# Altium PCB MatrixRE.PcbDoc (part 3 of 3)
Units mm, origin at the board's own origin, x right, y up, seen from the top; angles counter-clockwise.
Board outline 200 x 200.9 mm, 2 copper layers (Top Layer, Bottom Layer), stack 1.55 mm thick; 298 components, 208 nets, 865 pads, 440 vias.
Unrouted connection lines stored in the file: 1.
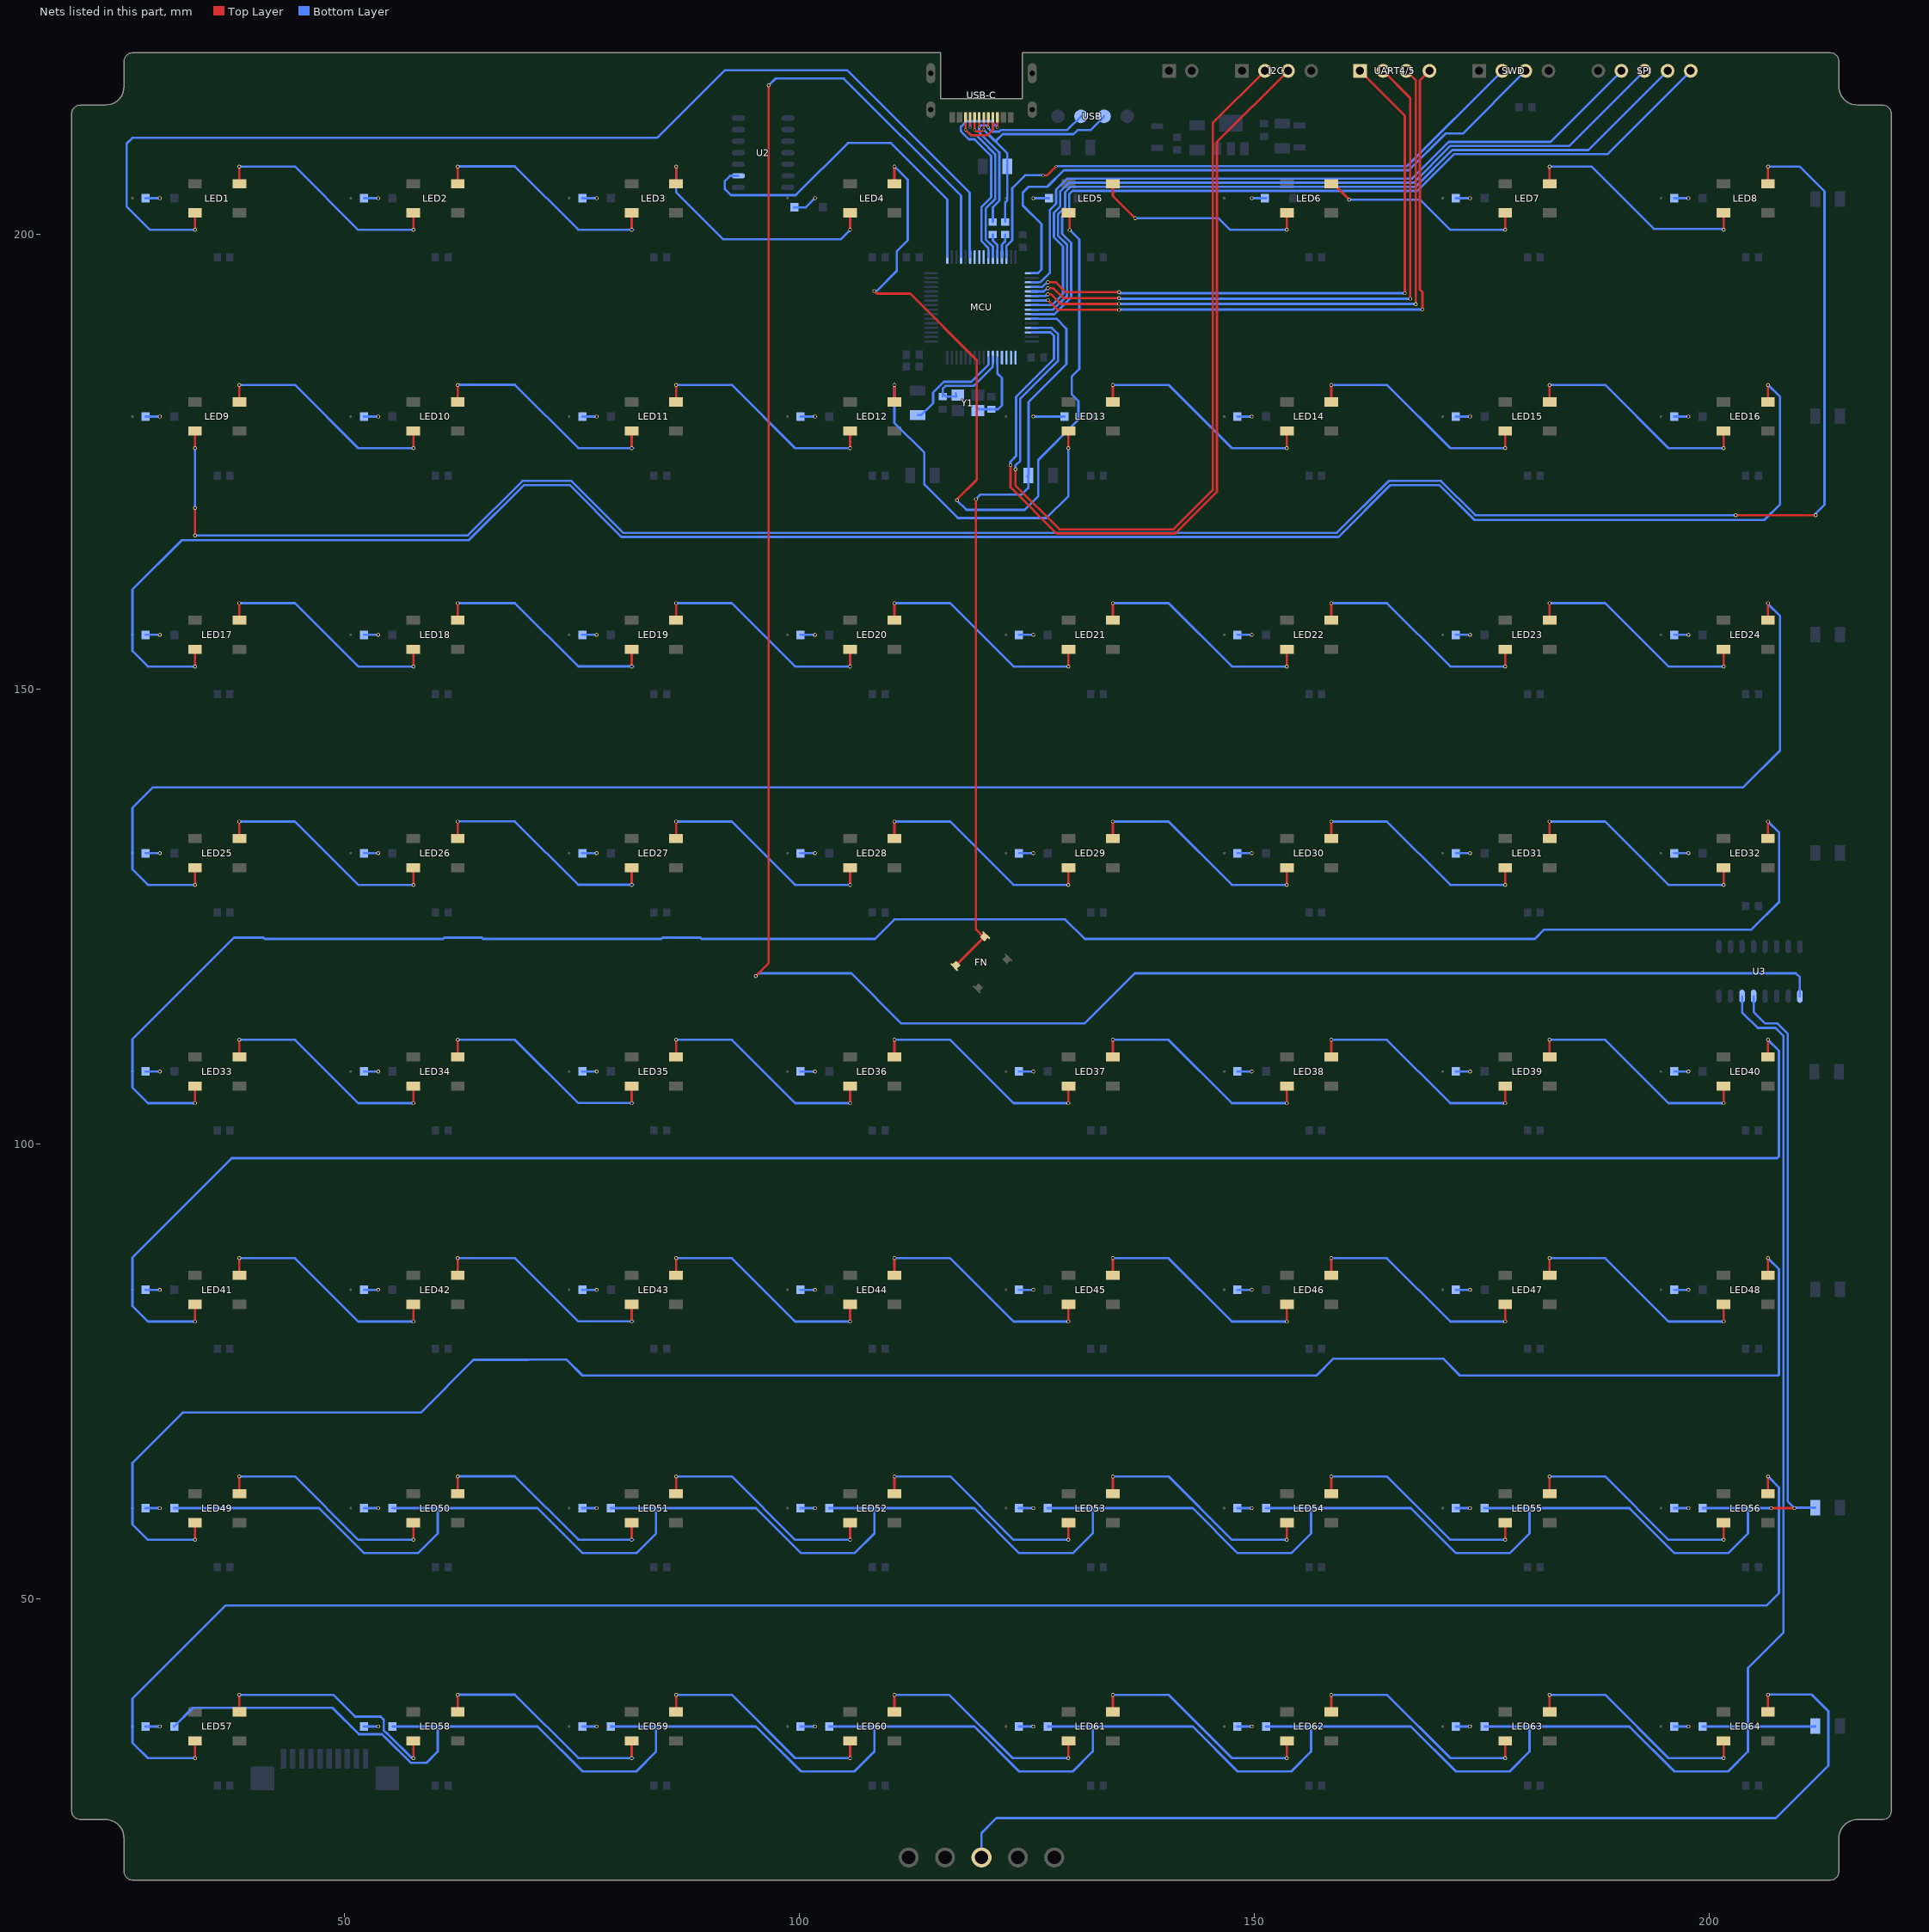
[diagram p3: the nets of this part, all layers, seen from the top]

## Via types
v1: diameter 0.406, hole 0.254, Top Layer to Bottom Layer, tented both sides, 214 vias
v2: diameter 0.61, hole 0.406, Top Layer to Bottom Layer, tented both sides, 142 vias
v3: diameter 0.711, hole 0.508, Top Layer to Bottom Layer, tented both sides, 71 vias
v4: diameter 0.305, hole 0.203, Top Layer to Bottom Layer, tented both sides, 9 vias
v5: diameter 8, hole 5.3, Top Layer to Bottom Layer, 4 vias

## Nets (pads, with @x,y where several pads share a name; then routed paths per layer and width w, separated by ;. In a path a pad name is that pad's centre, name@x,y a point inside that pad or via, vN(x,y) a via of type N, cw(c..) or ccw(c..) an arc to the next point about the centre after c; other vN are vias at no path point) (continued)
KeyRead7: D49.2 D50.2 D51.2 D52.2 D53.2 D54.2 D55.2 D56.2 R7.1@211.65,60.045 U3.5 | length 316.4
  Top Layer w0.254: v1(206.8,60) v1(209.342,60) v1@207,60
  Bottom Layer w0.254: D49.2@31.275,60 47.211,60 52.156,55.055 58.054,55.055 60.234,57.234 60.234,60 ; D50.2@55.275,60 60.234,60 ; D51.2@79.275,60 84.234,60 ; D52.2@103.275,60 108.234,60 ; D53.2@127.275,60 132.234,60 ; D54.2@151.275,60 156.234,60 ; D55.2@175.275,60 180.234,60 ; D56.2@199.275,60 204.234,60 ; U3.5@204.865,116.275 204.865,114.535 206.1,113.3 207.463,113.3 208.601,112.162 208.601,60.741 v1(209.342,60) 209.387,60.045 R7.1@211.65,60.045 ; v1(206.8,60) 204.234,60 ; 60.234,60 71.211,60 76.156,55.055 82.054,55.055 84.234,57.234 84.234,60 ; 84.234,60 95.211,60 100.156,55.055 106.054,55.055 108.234,57.234 108.234,60 ; 108.234,60 119.211,60 124.156,55.055 130.054,55.055 132.234,57.234 132.234,60 ; 132.234,60 143.211,60 148.156,55.055 154.054,55.055 156.234,57.234 156.234,60 ; 156.234,60 167.211,60 172.156,55.055 178.054,55.055 180.234,57.234 180.234,60 ; 180.234,60 191.211,60 196.156,55.055 202.054,55.055 204.234,57.234 204.234,60
KeyRead8: D57.2 D58.2 D59.2 D60.2 D61.2 D62.2 D63.2 D64.2 R8.1 U3.6 | length 341
  Bottom Layer w0.254: D57.2@31.275,36 33.325,38.05 48.666,38.05 51.578,35.138 54.108,35.138 54.502,34.744 54.536,34.744 57.29,31.99 58.989,31.99 60.234,33.234 60.234,36 ; D58.2@55.275,36 60.234,36 ; D59.2@79.275,36 84.234,36 ; D60.2@103.275,36 108.234,36 ; D61.2@127.275,36 132.234,36 ; D62.2@151.275,36 156.234,36 ; D63.2@175.275,36 180.234,36 ; D64.2@199.275,36 204.234,36 ; U3.6@203.595,116.275 203.595,114.505 205.308,112.792 207.253,112.792 208.147,111.898 208.147,46.347 204.234,42.434 204.234,36 ; R8.1@211.65,36.045 211.605,36 204.234,36 ; 60.234,36 71.211,36 76.156,31.055 82.054,31.055 84.234,33.234 84.234,36 ; 84.234,36 95.211,36 100.156,31.055 106.054,31.055 108.234,33.234 108.234,36 ; 108.234,36 119.211,36 124.156,31.055 130.054,31.055 132.234,33.234 132.234,36 ; 132.234,36 143.211,36 148.156,31.055 154.054,31.055 156.234,33.234 156.234,36 ; 156.234,36 167.211,36 172.156,31.055 178.054,31.055 180.234,33.234 180.234,36 ; 180.234,36 191.211,36 196.156,31.055 202.054,31.055 204.234,33.234 204.234,36
KeyScanLoad: MCU.36 pad.1@109.27,118.73 U3.1 | length 253.7
  Top Layer w0.254: v1(95.2,118.5) 96.6,119.9 96.6,121.215 v1(96.6,216.4)
  Bottom Layer w0.254: v1(95.2,118.5) 95.5,118.8 105.692,118.8 111.208,113.284 131.334,113.284 136.85,118.8 209.5,118.8 209.945,118.355 U3.1@209.945,116.275 ; v1(96.6,216.4) 97.362,217.162 99.989,217.162 99.991,217.159 101.309,217.159 101.311,217.162 104.873,217.162 117.75,204.285 MCU.36@117.75,197.525
KeySR: MCU.33 U2.2 | length 38.6
  Bottom Layer w0.254: U2.2@93.275,206.46 92.36,206.46 91.8,205.9 91.8,205 92.463,204.337 99.582,204.337 105.309,210.064 110.045,210.064 116.25,203.858 MCU.33@116.25,197.525
LEDdata: LED1.4 MCU.38 | length 126
  Top Layer w0.254: v1(33.562,200.52) LED1.4@33.562,202.4
  Bottom Layer w0.254: v1(33.562,200.52) 28.63,200.52 26.043,203.107 26.043,209.983 26.69,210.63 84.35,210.63 91.79,218.07 100.365,218.07 100.367,218.067 100.933,218.067 100.935,218.07 105.249,218.07 118.704,204.615 118.704,197.571 MCU.38@118.75,197.525
"LEDdata 3.3": 
LEDext: LED64.2 pad.3 | length 114.1
  Top Layer w0.254: LED64.2@206.438,37.6 v1(206.438,39.48)
  Bottom Layer w0.254: pad.3@120,21.6 120,24.29 121.64,25.93 207.304,25.93 213.077,31.703 213.077,37.671 211.23,39.517 206.475,39.517 v1(206.438,39.48)
MCUUSB+: MCU.45 R3.2@122.6,200 | length 2.6
  Bottom Layer w0.254: MCU.45@122.25,197.525 122.25,198.904 122.6,199.254 R3.2@122.6,200
MCUUSB-: MCU.44 R4.2@121.25,200 | length 2.7
  Bottom Layer w0.254: R4.2@121.25,200 121.25,199.35 121.75,198.85 MCU.44@121.75,197.525
MISO: MCU.56 SPI.3 | length 85.6
  Bottom Layer w0.254: MCU.56@125.525,192.25 127.726,192.25 128.952,193.476 128.952,198.704 127.957,199.699 127.957,202.399 128.656,203.098 128.656,204.753 129.613,205.71 167.518,205.71 171.557,209.749 184.619,209.749 SPI.3@192.87,218
MOSI: MCU.57 SPI.4 | length 88.4
  Bottom Layer w0.254: MCU.57@125.525,191.75 127.868,191.75 129.406,193.288 129.406,198.892 128.411,199.887 128.411,202.211 129.2,203 129.2,204.655 129.571,205.025 129.801,205.256 167.706,205.256 171.745,209.295 186.705,209.295 SPI.4@195.41,218
NetD1_1: D1.1@28.125,204 SW1.2 | length 1.6
  Bottom Layer w0.254: D1.1@28.125,204 SW1.2@29.7,204
NetD2_1: D2.1 SW2.2 | length 1.6
  Bottom Layer w0.254: D2.1@52.125,204 SW2.2@53.7,204
NetD3_1: D3.1 SW3.2 | length 1.6
  Bottom Layer w0.254: D3.1@76.125,204 SW3.2@77.7,204
NetD4_1: D4.1 SW4.2 | length 2.7
  Bottom Layer w0.254: D4.1@99.425,203 100.7,203 SW4.2@101.7,204
NetD5_1: D5.1 SW5.2 | length 1.7
  Bottom Layer w0.254: SW5.2@125.7,204 D5.1@127.425,204
NetD6_1: D6.1 SW6.2 | length 1.6
  Bottom Layer w0.254: SW6.2@149.725,204 D6.1@151.3,204
NetD7_1: D7.1 SW7.2 | length 1.6
  Bottom Layer w0.254: D7.1@172.125,204 SW7.2@173.7,204
NetD8_1: D8.1 SW8.2 | length 1.6
  Bottom Layer w0.254: D8.1@196.125,204 SW8.2@197.7,204
NetD9_1: D9.1 SW9.2 | length 1.6
  Bottom Layer w0.254: D9.1@28.125,180 SW9.2@29.7,180
NetD10_1: D10.1 SW10.2 | length 1.6
  Bottom Layer w0.254: D10.1@52.125,180 SW10.2@53.7,180
NetD11_1: D11.1 SW11.2 | length 1.6
  Bottom Layer w0.254: D11.1@76.125,180 SW11.2@77.7,180
NetD12_1: D12.1 SW12.2 | length 1.6
  Bottom Layer w0.254: D12.1@100.125,180 SW12.2@101.7,180
NetD13_1: D13.1 SW13.2 | length 3.4
  Bottom Layer w0.254: SW13.2@125.7,180 D13.1@129.125,180
NetD14_1: D14.1 SW14.2 | length 1.6
  Bottom Layer w0.254: D14.1@148.125,180 SW14.2@149.7,180
NetD15_1: D15.1 SW15.2 | length 1.6
  Bottom Layer w0.254: D15.1@172.125,180 SW15.2@173.7,180
NetD16_1: D16.1 SW16.2 | length 1.6
  Bottom Layer w0.254: D16.1@196.125,180 SW16.2@197.7,180
NetD17_1: D17.1 SW17.2 | length 1.6
  Bottom Layer w0.254: D17.1@28.125,156 SW17.2@29.7,156
NetD18_1: D18.1 SW18.2 | length 1.6
  Bottom Layer w0.254: D18.1@52.125,156 SW18.2@53.7,156
NetD19_1: D19.1 SW19.2 | length 1.6
  Bottom Layer w0.254: D19.1@76.125,156 SW19.2@77.7,156
NetD20_1: D20.1 SW20.2 | length 1.6
  Bottom Layer w0.254: D20.1@100.125,156 SW20.2@101.7,156
NetD21_1: D21.1 SW21.2 | length 1.6
  Bottom Layer w0.254: D21.1@124.125,156 SW21.2@125.7,156
NetD22_1: D22.1 SW22.2 | length 1.6
  Bottom Layer w0.254: D22.1@148.125,156 SW22.2@149.7,156
NetD23_1: D23.1 SW23.2 | length 1.6
  Bottom Layer w0.254: D23.1@172.125,156 SW23.2@173.7,156
NetD24_1: D24.1 SW24.2 | length 1.6
  Bottom Layer w0.254: D24.1@196.125,156 SW24.2@197.7,156
NetD25_1: D25.1 SW25.2 | length 1.6
  Bottom Layer w0.254: D25.1@28.125,132 SW25.2@29.7,132
NetD26_1: D26.1 SW26.2 | length 1.6
  Bottom Layer w0.254: D26.1@52.125,132 SW26.2@53.7,132
NetD27_1: D27.1 SW27.2 | length 1.6
  Bottom Layer w0.254: D27.1@76.125,132 SW27.2@77.7,132
NetD28_1: D28.1 SW28.2 | length 1.6
  Bottom Layer w0.254: D28.1@100.125,132 SW28.2@101.7,132
NetD29_1: D29.1 SW29.2 | length 1.6
  Bottom Layer w0.254: D29.1@124.125,132 SW29.2@125.7,132
NetD30_1: D30.1 SW30.2 | length 1.6
  Bottom Layer w0.254: D30.1@148.125,132 SW30.2@149.7,132
NetD31_1: D31.1 SW31.2 | length 1.6
  Bottom Layer w0.254: D31.1@172.125,132 SW31.2@173.7,132
NetD32_1: D32.1 SW32.2 | length 1.6
  Bottom Layer w0.254: D32.1@196.125,132 SW32.2@197.7,132
NetD33_1: D33.1 SW33.2 | length 1.6
  Bottom Layer w0.254: D33.1@28.125,108 SW33.2@29.7,108
NetD34_1: D34.1 SW34.2 | length 1.6
  Bottom Layer w0.254: D34.1@52.125,108 SW34.2@53.7,108
NetD35_1: D35.1 SW35.2 | length 1.6
  Bottom Layer w0.254: D35.1@76.125,108 SW35.2@77.7,108
NetD36_1: D36.1 SW36.2 | length 1.6
  Bottom Layer w0.254: D36.1@100.125,108 SW36.2@101.7,108
NetD37_1: D37.1 SW37.2 | length 1.6
  Bottom Layer w0.254: D37.1@124.125,108 SW37.2@125.7,108
NetD38_1: D38.1 SW38.2 | length 1.6
  Bottom Layer w0.254: D38.1@148.125,108 SW38.2@149.7,108
NetD39_1: D39.1 SW39.2 | length 1.6
  Bottom Layer w0.254: D39.1@172.125,108 SW39.2@173.7,108
NetD40_1: D40.1 SW40.2 | length 1.6
  Bottom Layer w0.254: D40.1@196.125,108 SW40.2@197.7,108
NetD41_1: D41.1 SW41.2 | length 1.6
  Bottom Layer w0.254: D41.1@28.125,84 SW41.2@29.7,84
NetD42_1: D42.1 SW42.2 | length 1.6
  Bottom Layer w0.254: D42.1@52.125,84 SW42.2@53.7,84
NetD43_1: D43.1 SW43.2 | length 1.6
  Bottom Layer w0.254: D43.1@76.125,84 SW43.2@77.7,84
NetD44_1: D44.1 SW44.2 | length 1.6
  Bottom Layer w0.254: D44.1@100.125,84 SW44.2@101.7,84
NetD45_1: D45.1 SW45.2 | length 1.6
  Bottom Layer w0.254: D45.1@124.125,84 SW45.2@125.7,84
NetD46_1: D46.1 SW46.2 | length 1.6
  Bottom Layer w0.254: D46.1@148.125,84 SW46.2@149.7,84
NetD47_1: D47.1 SW47.2 | length 1.6
  Bottom Layer w0.254: D47.1@172.125,84 SW47.2@173.7,84
NetD48_1: D48.1 SW48.2 | length 1.6
  Bottom Layer w0.254: D48.1@196.125,84 SW48.2@197.7,84
NetD49_1: D49.1 SW49.2 | length 1.6
  Bottom Layer w0.254: D49.1@28.125,60 SW49.2@29.7,60
NetD50_1: D50.1 SW50.2 | length 1.6
  Bottom Layer w0.254: D50.1@52.125,60 SW50.2@53.7,60
NetD51_1: D51.1 SW51.2 | length 1.6
  Bottom Layer w0.254: D51.1@76.125,60 SW51.2@77.7,60
NetD52_1: D52.1 SW52.2 | length 1.6
  Bottom Layer w0.254: D52.1@100.125,60 SW52.2@101.7,60
NetD53_1: D53.1 SW53.2 | length 1.6
  Bottom Layer w0.254: D53.1@124.125,60 SW53.2@125.7,60
NetD54_1: D54.1 SW54.2 | length 1.6
  Bottom Layer w0.254: D54.1@148.125,60 SW54.2@149.7,60
NetD55_1: D55.1 SW55.2 | length 1.6
  Bottom Layer w0.254: D55.1@172.125,60 SW55.2@173.7,60
NetD56_1: D56.1 SW56.2 | length 1.6
  Bottom Layer w0.254: D56.1@196.125,60 SW56.2@197.7,60
NetD57_1: D57.1 SW57.2 | length 1.6
  Bottom Layer w0.254: D57.1@28.125,36 SW57.2@29.7,36
NetD58_1: D58.1 SW58.2 | length 1.6
  Bottom Layer w0.254: D58.1@52.125,36 SW58.2@53.7,36
NetD59_1: D59.1 SW59.2 | length 1.6
  Bottom Layer w0.254: D59.1@76.125,36 SW59.2@77.7,36
NetD60_1: D60.1 SW60.2 | length 1.6
  Bottom Layer w0.254: D60.1@100.125,36 SW60.2@101.7,36
NetD61_1: D61.1 SW61.2 | length 1.6
  Bottom Layer w0.254: D61.1@124.125,36 SW61.2@125.7,36
NetD62_1: D62.1 SW62.2 | length 1.6
  Bottom Layer w0.254: D62.1@148.125,36 SW62.2@149.7,36
NetD63_1: D63.1 SW63.2 | length 1.6
  Bottom Layer w0.254: D63.1@172.125,36 SW63.2@173.7,36
NetD64_1: D64.1 SW64.2 | length 1.6
  Bottom Layer w0.254: D64.1@196.125,36 SW64.2@197.7,36
NetLED1_2: LED1.2 LED2.4 | length 25.8
  Top Layer w0.254: LED1.2@38.438,205.6 v1(38.438,207.48) ; v1(57.562,200.52) LED2.4@57.562,202.4
  Bottom Layer w0.254: v1(38.438,207.48) 44.559,207.48 51.519,200.52 v1(57.562,200.52)
NetLED1_4: 
NetLED2_2: LED2.2 LED3.4 | length 25.8
  Top Layer w0.254: LED2.2@62.438,205.6 v1(62.438,207.48) ; v1(81.562,200.52) LED3.4@81.562,202.4
  Bottom Layer w0.254: v1@62.601,207.493 68.721,207.493 75.682,200.532 v1@81.724,200.532
NetLED3_2: LED3.2 LED4.4 | length 28.3
  Top Layer w0.254: LED3.2@86.438,205.6 v1(86.438,207.48) ; v1(105.562,200.52) LED4.4@105.562,202.4
  Bottom Layer w0.254: v1(86.438,207.48) 86.438,204.666 91.621,199.483 104.525,199.483 v1(105.562,200.52)
NetLED4_2: LED4.2 LED5.4 | length 92.7
  Top Layer w0.254: v1(108.211,193.79) 108.491,193.51 112.16,193.51 119.482,186.188 119.482,173.05 117.3,170.868 v1(117.3,170.8) ; LED4.2@110.438,205.6 v1(110.438,207.48) ; LED5.4@129.562,202.4 129.7,202.262 v1(129.7,200.5)
  Bottom Layer w0.254: v1(108.211,193.79) 108.48,193.79 110.681,195.991 110.681,198.151 111.894,199.364 111.894,206.025 v1(110.438,207.48) ; v1(117.3,170.8) 118.357,169.743 124.743,169.743 126.246,171.246 126.246,175.246 130.656,179.656 130.656,181.702 129.916,182.442 129.916,184.394 130.754,185.232 130.754,199.445 v1(129.7,200.5)
NetLED5_2: LED5.2 LED6.4 | length 23.9
  Top Layer w0.254: LED5.2@134.438,205.6 134.438,204.261 v1(136.9,201.8) ; v1(153.562,200.52) LED6.4@153.562,202.4
  Bottom Layer w0.254: v1(136.9,201.8) 146.054,201.8 147.333,200.52 v1(153.562,200.52)
NetLED6_2: LED6.2 LED7.4 | length 23.1
  Top Layer w0.254: LED6.2@158.438,205.6 158.658,205.6 v1(160.408,203.85) ; v1(177.562,200.52) LED7.4@177.562,202.4
  Bottom Layer w0.254: v1(160.408,203.85) 168.189,203.85 171.519,200.52 v1(177.562,200.52)
NetLED7_2: LED7.2 LED8.4 | length 25.8
  Top Layer w0.254: LED7.2@182.438,205.6 v1(182.438,207.48) ; v1(201.562,200.52) LED8.4@201.562,202.4
  Bottom Layer w0.254: v1(182.438,207.48) 187.055,207.48 193.904,200.632 201.45,200.632 v1(201.562,200.52)
NetLED8_2: LED8.2 LED9.4 | length 243.6
  Top Layer w0.254: v1(33.562,166.938) v1(33.562,169.962) ; v1(33.562,176.52) LED9.4@33.562,178.4 ; v1(202.895,169.16) v1(211.695,169.16) ; LED8.2@206.438,205.6 v1(206.438,207.48)
  Bottom Layer w0.254: v1(33.562,166.938) 63.552,166.938 69.532,172.919 74.923,172.919 80.623,167.219 159.056,167.219 164.756,172.919 170.518,172.919 174.277,169.16 v1(202.895,169.16) ; v1(33.562,169.962) v1(33.562,176.52) ; v1(206.438,207.48) 209.932,207.48 212.65,204.763 212.65,170.299 211.603,169.252 v1(211.695,169.16)
NetLED9_2: LED9.2 LED10.4 | length 25.8
  Top Layer w0.254: LED9.2@38.438,181.6 v1(38.438,183.48) ; v1(57.562,176.52) LED10.4@57.562,178.4
  Bottom Layer w0.254: v1(38.438,183.48) 44.559,183.48 51.519,176.52 v1(57.562,176.52)
NetLED10_2: LED10.2 LED11.4 | length 25.8
  Top Layer w0.254: LED10.2@62.438,181.6 v1(62.438,183.48) ; v1(81.562,176.52) LED11.4@81.562,178.4
  Bottom Layer w0.254: v1@62.601,183.493 68.721,183.493 75.682,176.532 v1@81.724,176.532
NetLED11_2: LED11.2 LED12.4 | length 25.8
  Top Layer w0.254: LED11.2@86.438,181.6 v1(86.438,183.48) ; v1(105.562,176.52) LED12.4@105.562,178.4
  Bottom Layer w0.254: v1(86.438,183.48) 92.559,183.48 99.519,176.52 v1(105.562,176.52)
NetLED12_2: LED12.2 LED13.4 | length 39.7
  Top Layer w0.254: LED12.2@110.438,181.6 v1(110.438,183.48) ; v1(129.562,176.52) LED13.4@129.562,178.4
  Bottom Layer w0.254: v1(110.438,183.48) 110.438,179.304 113.73,176.012 113.73,172.512 117.407,168.835 127.135,168.835 129.562,171.262 v1(129.562,176.52)
NetLED13_2: LED13.2 LED14.4 | length 25.8
  Top Layer w0.254: LED13.2@134.438,181.6 v1(134.438,183.48) ; v1(153.562,176.52) LED14.4@153.562,178.4
  Bottom Layer w0.254: v1(134.438,183.48) 140.559,183.48 147.519,176.52 v1(153.562,176.52)
NetLED14_2: LED14.2 LED15.4 | length 25.8
  Top Layer w0.254: LED14.2@158.438,181.6 v1(158.438,183.48) ; v1(177.562,176.52) LED15.4@177.562,178.4
  Bottom Layer w0.254: v1(158.438,183.48) 164.559,183.48 171.519,176.52 v1(177.562,176.52)
NetLED15_2: LED15.2 LED16.4 | length 25.8
  Top Layer w0.254: LED15.2@182.438,181.6 v1(182.438,183.48) ; v1(201.562,176.52) LED16.4@201.562,178.4
  Bottom Layer w0.254: v1(182.438,183.48) 188.559,183.48 195.519,176.52 v1(201.562,176.52)
NetLED16_2: LED16.2 LED17.4 | length 224.6
  Top Layer w0.254: v1(33.562,152.52) LED17.4@33.562,154.4 ; LED16.2@206.438,181.6 v1(206.438,183.48)
  Bottom Layer w0.254: v1(33.562,152.52) 28.38,152.52 26.681,154.219 26.681,160.981 32.108,166.408 63.664,166.408 69.72,172.465 74.735,172.465 80.435,166.765 159.244,166.765 164.944,172.465 170.33,172.465 174.165,168.63 206.042,168.63 207.767,170.356 207.767,182.152 v1(206.438,183.48)
NetLED17_2: LED17.2 LED18.4 | length 25.8
  Top Layer w0.254: LED17.2@38.438,157.6 v1(38.438,159.48) ; v1(57.562,152.52) LED18.4@57.562,154.4
  Bottom Layer w0.254: v1(38.438,159.48) 44.559,159.48 51.519,152.52 v1(57.562,152.52)
NetLED18_2: LED18.2 LED19.4 | length 25.8
  Top Layer w0.254: LED18.2@62.438,157.6 v1(62.438,159.48) ; v1(81.562,152.52) LED19.4@81.562,154.4
  Bottom Layer w0.254: v1@62.601,159.493 68.721,159.493 75.682,152.532 v1@81.724,152.532
NetLED19_2: LED19.2 LED20.4 | length 25.8
  Top Layer w0.254: LED19.2@86.438,157.6 v1(86.438,159.48) ; v1(105.562,152.52) LED20.4@105.562,154.4
  Bottom Layer w0.254: v1(86.438,159.48) 92.559,159.48 99.519,152.52 v1(105.562,152.52)
NetLED20_2: LED20.2 LED21.4 | length 25.8
  Top Layer w0.254: LED20.2@110.438,157.6 v1(110.438,159.48) ; v1(129.562,152.52) LED21.4@129.562,154.4
  Bottom Layer w0.254: v1(110.438,159.48) 116.559,159.48 123.519,152.52 v1(129.562,152.52)
NetLED21_2: LED21.2 LED22.4 | length 25.8
  Top Layer w0.254: LED21.2@134.438,157.6 v1(134.438,159.48) ; v1(153.562,152.52) LED22.4@153.562,154.4
  Bottom Layer w0.254: v1(134.438,159.48) 140.559,159.48 147.519,152.52 v1(153.562,152.52)
NetLED22_2: LED22.2 LED23.4 | length 25.8
  Top Layer w0.254: LED22.2@158.438,157.6 v1(158.438,159.48) ; v1(177.562,152.52) LED23.4@177.562,154.4
  Bottom Layer w0.254: v1(158.438,159.48) 164.559,159.48 171.519,152.52 v1(177.562,152.52)
NetLED23_2: LED23.2 LED24.4 | length 25.8
  Top Layer w0.254: LED23.2@182.438,157.6 v1(182.438,159.48) ; v1(201.562,152.52) LED24.4@201.562,154.4
  Bottom Layer w0.254: v1(182.438,159.48) 188.559,159.48 195.519,152.52 v1(201.562,152.52)
NetLED24_2: LED24.2 LED25.4 | length 218.5
  Top Layer w0.254: v1(33.562,128.52) LED25.4@33.562,130.4 ; LED24.2@206.438,157.6 v1(206.438,159.48)
  Bottom Layer w0.254: v1(33.562,128.52) 28.38,128.52 26.681,130.219 26.681,136.981 28.919,139.219 203.686,139.219 207.767,143.3 207.767,158.079 206.438,159.408 v1(206.438,159.48)
NetLED25_2: LED25.2 LED26.4 | length 25.8
  Top Layer w0.254: LED25.2@38.438,133.6 v1(38.438,135.48) ; v1(57.562,128.52) LED26.4@57.562,130.4
  Bottom Layer w0.254: v1(38.438,135.48) 44.559,135.48 51.519,128.52 v1(57.562,128.52)
NetLED26_2: LED26.2 LED27.4 | length 25.8
  Top Layer w0.254: LED26.2@62.438,133.6 v1(62.438,135.48) ; v1(81.562,128.52) LED27.4@81.562,130.4
  Bottom Layer w0.254: v1@62.601,135.493 68.721,135.493 75.682,128.532 v1@81.724,128.532
NetLED27_2: LED27.2 LED28.4 | length 25.8
  Top Layer w0.254: LED27.2@86.438,133.6 v1(86.438,135.48) ; v1(105.562,128.52) LED28.4@105.562,130.4
  Bottom Layer w0.254: v1(86.438,135.48) 92.559,135.48 99.519,128.52 v1(105.562,128.52)
NetLED28_2: LED28.2 LED29.4 | length 25.8
  Top Layer w0.254: LED28.2@110.438,133.6 v1(110.438,135.48) ; v1(129.562,128.52) LED29.4@129.562,130.4
  Bottom Layer w0.254: v1(110.438,135.48) 116.559,135.48 123.519,128.52 v1(129.562,128.52)
NetLED29_2: LED29.2 LED30.4 | length 25.8
  Top Layer w0.254: LED29.2@134.438,133.6 v1(134.438,135.48) ; v1(153.562,128.52) LED30.4@153.562,130.4
  Bottom Layer w0.254: v1(134.438,135.48) 140.559,135.48 147.519,128.52 v1(153.562,128.52)
NetLED30_2: LED30.2 LED31.4 | length 25.8
  Top Layer w0.254: LED30.2@158.438,133.6 v1(158.438,135.48) ; v1(177.562,128.52) LED31.4@177.562,130.4
  Bottom Layer w0.254: v1(158.438,135.48) 164.559,135.48 171.519,128.52 v1(177.562,128.52)
NetLED31_2: LED31.2 LED32.4 | length 25.8
  Top Layer w0.254: LED31.2@182.438,133.6 v1(182.438,135.48) ; v1(201.562,128.52) LED32.4@201.562,130.4
  Bottom Layer w0.254: v1(182.438,135.48) 188.559,135.48 195.519,128.52 v1(201.562,128.52)
NetLED32_2: LED32.2 LED33.4 | length 215.4
  Top Layer w0.254: v1(33.562,104.52) LED33.4@33.562,106.4 ; LED32.2@206.438,133.6 v1(206.438,135.48)
  Bottom Layer w0.254: v1(33.562,104.52) 28.38,104.52 26.681,106.219 26.681,111.559 37.839,122.718 41.092,122.718 41.227,122.582 60.825,122.582 60.96,122.718 65.092,122.718 65.227,122.582 84.825,122.582 84.96,122.718 89.092,122.718 89.227,122.582 108.292,122.582 110.432,124.722 129.21,124.722 131.35,122.582 180.825,122.582 181.842,123.6 204.612,123.6 207.674,126.661 207.674,134.245 v1(206.438,135.48)
NetLED33_2: LED33.2 LED34.4 | length 25.8
  Top Layer w0.254: LED33.2@38.438,109.6 v1(38.438,111.48) ; v1(57.562,104.52) LED34.4@57.562,106.4
  Bottom Layer w0.254: v1(38.438,111.48) 44.559,111.48 51.519,104.52 v1(57.562,104.52)
NetLED34_2: LED34.2 LED35.4 | length 25.8
  Top Layer w0.254: LED34.2@62.438,109.6 v1(62.438,111.48) ; v1(81.562,104.52) LED35.4@81.562,106.4
  Bottom Layer w0.254: v1@62.601,111.493 68.721,111.493 75.682,104.532 v1@81.724,104.532
NetLED35_2: LED35.2 LED36.4 | length 25.8
  Top Layer w0.254: LED35.2@86.438,109.6 v1(86.438,111.48) ; v1(105.562,104.52) LED36.4@105.562,106.4
  Bottom Layer w0.254: v1(86.438,111.48) 92.559,111.48 99.519,104.52 v1(105.562,104.52)
NetLED36_2: LED36.2 LED37.4 | length 25.8
  Top Layer w0.254: LED36.2@110.438,109.6 v1(110.438,111.48) ; v1(129.562,104.52) LED37.4@129.562,106.4
  Bottom Layer w0.254: v1(110.438,111.48) 116.559,111.48 123.519,104.52 v1(129.562,104.52)
NetLED37_2: LED37.2 LED38.4 | length 25.8
  Top Layer w0.254: LED37.2@134.438,109.6 v1(134.438,111.48) ; v1(153.562,104.52) LED38.4@153.562,106.4
  Bottom Layer w0.254: v1(134.438,111.48) 140.559,111.48 147.519,104.52 v1(153.562,104.52)
NetLED38_2: LED38.2 LED39.4 | length 25.8
  Top Layer w0.254: LED38.2@158.438,109.6 v1(158.438,111.48) ; v1(177.562,104.52) LED39.4@177.562,106.4
  Bottom Layer w0.254: v1(158.438,111.48) 164.559,111.48 171.519,104.52 v1(177.562,104.52)
NetLED39_2: LED39.2 LED40.4 | length 25.8
  Top Layer w0.254: LED39.2@182.438,109.6 v1(182.438,111.48) ; v1(201.562,104.52) LED40.4@201.562,106.4
  Bottom Layer w0.254: v1(182.438,111.48) 188.559,111.48 195.519,104.52 v1(201.562,104.52)
NetLED40_2: LED40.2 LED41.4 | length 215.6
  Top Layer w0.254: v1(33.562,80.52) LED41.4@33.562,82.4 ; LED40.2@206.438,109.6 v1(206.438,111.48)
  Bottom Layer w0.254: v1(33.562,80.52) 28.38,80.52 26.681,82.219 26.681,87.559 37.592,98.47 207.451,98.47 207.644,98.664 207.644,110.274 v1(206.438,111.48)
NetLED41_2: LED41.2 LED42.4 | length 25.8
  Top Layer w0.254: LED41.2@38.438,85.6 v1(38.438,87.48) ; v1(57.562,80.52) LED42.4@57.562,82.4
  Bottom Layer w0.254: v1(38.438,87.48) 44.559,87.48 51.519,80.52 v1(57.562,80.52)
NetLED42_2: LED42.2 LED43.4 | length 25.8
  Top Layer w0.254: LED42.2@62.438,85.6 v1(62.438,87.48) ; v1(81.562,80.52) LED43.4@81.562,82.4
  Bottom Layer w0.254: v1@62.601,87.493 68.721,87.493 75.682,80.532 v1@81.724,80.532
NetLED43_2: LED43.2 LED44.4 | length 25.8
  Top Layer w0.254: LED43.2@86.438,85.6 v1(86.438,87.48) ; v1(105.562,80.52) LED44.4@105.562,82.4
  Bottom Layer w0.254: v1(86.438,87.48) 92.559,87.48 99.519,80.52 v1(105.562,80.52)
NetLED44_2: LED44.2 LED45.4 | length 25.8
  Top Layer w0.254: LED44.2@110.438,85.6 v1(110.438,87.48) ; v1(129.562,80.52) LED45.4@129.562,82.4
  Bottom Layer w0.254: v1(110.438,87.48) 116.559,87.48 123.519,80.52 v1(129.562,80.52)
NetLED45_2: LED45.2 LED46.4 | length 25.8
  Top Layer w0.254: LED45.2@134.438,85.6 v1(134.438,87.48) ; v1(153.562,80.52) LED46.4@153.562,82.4
  Bottom Layer w0.254: v1(134.438,87.48) 140.559,87.48 147.519,80.52 v1(153.562,80.52)
NetLED46_2: LED46.2 LED47.4 | length 25.8
  Top Layer w0.254: LED46.2@158.438,85.6 v1(158.438,87.48) ; v1(177.562,80.52) LED47.4@177.562,82.4
  Bottom Layer w0.254: v1(158.438,87.48) 164.559,87.48 171.519,80.52 v1(177.562,80.52)
NetLED47_2: LED47.2 LED48.4 | length 25.8
  Top Layer w0.254: LED47.2@182.438,85.6 v1(182.438,87.48) ; v1(201.562,80.52) LED48.4@201.562,82.4
  Bottom Layer w0.254: v1(182.438,87.48) 188.559,87.48 195.519,80.52 v1(201.562,80.52)
NetLED48_2: LED48.2 LED49.4 | length 219.4
  Top Layer w0.254: v1(33.562,56.52) LED49.4@33.562,58.4 ; LED48.2@206.438,85.6 v1(206.438,87.48)
  Bottom Layer w0.254: v1(33.562,56.52) 28.38,56.52 26.681,58.219 26.681,64.981 32.207,70.507 58.38,70.507 64.178,76.305 70.186,76.305 70.208,76.327 74.399,76.327 76.144,74.582 156.825,74.582 158.676,76.434 170.735,76.434 172.586,74.582 207.563,74.582 207.644,74.664 207.644,86.274 v1(206.438,87.48)
NetLED49_2: LED49.2 LED50.4 | length 25.8
  Top Layer w0.254: LED49.2@38.438,61.6 v1(38.438,63.48) ; v1(57.562,56.52) LED50.4@57.562,58.4
  Bottom Layer w0.254: v1(38.438,63.48) 44.559,63.48 51.519,56.52 v1(57.562,56.52)
NetLED50_2: LED50.2 LED51.4 | length 25.8
  Top Layer w0.254: LED50.2@62.438,61.6 v1(62.438,63.48) ; v1(81.562,56.52) LED51.4@81.562,58.4
  Bottom Layer w0.254: v1@62.601,63.493 68.721,63.493 75.682,56.532 v1@81.724,56.532
NetLED51_2: LED51.2 LED52.4 | length 25.8
  Top Layer w0.254: LED51.2@86.438,61.6 v1(86.438,63.48) ; v1(105.562,56.52) LED52.4@105.562,58.4
  Bottom Layer w0.254: v1(86.438,63.48) 92.559,63.48 99.519,56.52 v1(105.562,56.52)
NetLED52_2: LED52.2 LED53.4 | length 25.8
  Top Layer w0.254: LED52.2@110.438,61.6 v1(110.438,63.48) ; v1(129.562,56.52) LED53.4@129.562,58.4
  Bottom Layer w0.254: v1(110.438,63.48) 116.559,63.48 123.519,56.52 v1(129.562,56.52)
NetLED53_2: LED53.2 LED54.4 | length 25.8
  Top Layer w0.254: LED53.2@134.438,61.6 v1(134.438,63.48) ; v1(153.562,56.52) LED54.4@153.562,58.4
  Bottom Layer w0.254: v1(134.438,63.48) 140.559,63.48 147.519,56.52 v1(153.562,56.52)
NetLED54_2: LED54.2 LED55.4 | length 25.8
  Top Layer w0.254: LED54.2@158.438,61.6 v1(158.438,63.48) ; v1(177.562,56.52) LED55.4@177.562,58.4
  Bottom Layer w0.254: v1(158.438,63.48) 164.559,63.48 171.519,56.52 v1(177.562,56.52)
NetLED55_2: LED55.2 LED56.4 | length 25.8
  Top Layer w0.254: LED55.2@182.438,61.6 v1(182.438,63.48) ; v1(201.562,56.52) LED56.4@201.562,58.4
  Bottom Layer w0.254: v1(182.438,63.48) 188.559,63.48 195.519,56.52 v1(201.562,56.52)
NetLED56_2: LED56.2 LED57.4 | length 215.3
  Top Layer w0.254: v1(33.562,32.52) LED57.4@33.562,34.4 ; LED56.2@206.438,61.6 v1(206.438,63.48)
  Bottom Layer w0.254: v1(33.562,32.52) 28.38,32.52 26.681,34.219 26.681,39.064 36.908,49.291 206.272,49.291 207.644,50.664 207.644,62.274 v1(206.438,63.48)
NetLED57_2: LED57.2 LED58.4 | length 26.5
  Top Layer w0.254: LED57.2@38.438,37.6 v1(38.438,39.48) ; v1(57.562,32.52) LED58.4@57.562,34.4
  Bottom Layer w0.254: v1(38.438,39.48) 48.768,39.48 51.158,37.09 53.976,37.09 54.305,36.76 54.305,35.582 54.69,35.198 54.724,35.198 57.402,32.52 v1(57.562,32.52)
NetLED58_2: LED58.2 LED59.4 | length 25.8
  Top Layer w0.254: LED58.2@62.438,37.6 v1(62.438,39.48) ; v1(81.562,32.52) LED59.4@81.562,34.4
  Bottom Layer w0.254: v1@62.601,39.493 68.721,39.493 75.682,32.532 v1@81.724,32.532
NetLED59_2: LED59.2 LED60.4 | length 25.8
  Top Layer w0.254: LED59.2@86.438,37.6 v1(86.438,39.48) ; v1(105.562,32.52) LED60.4@105.562,34.4
  Bottom Layer w0.254: v1(86.438,39.48) 92.559,39.48 99.519,32.52 v1(105.562,32.52)
NetLED60_2: LED60.2 LED61.4 | length 25.8
  Top Layer w0.254: LED60.2@110.438,37.6 v1(110.438,39.48) ; v1(129.562,32.52) LED61.4@129.562,34.4
  Bottom Layer w0.254: v1(110.438,39.48) 116.449,39.48 123.41,32.52 v1(129.562,32.52)
NetLED61_2: LED61.2 LED62.4 | length 25.8
  Top Layer w0.254: LED61.2@134.438,37.6 v1(134.438,39.48) ; v1(153.562,32.52) LED62.4@153.562,34.4
  Bottom Layer w0.254: v1(134.438,39.48) 140.559,39.48 147.519,32.52 v1(153.562,32.52)
NetLED62_2: LED62.2 LED63.4 | length 25.8
  Top Layer w0.254: LED62.2@158.438,37.6 v1(158.438,39.48) ; v1(177.562,32.52) LED63.4@177.562,34.4
  Bottom Layer w0.254: v1(158.438,39.48) 164.559,39.48 171.519,32.52 v1(177.562,32.52)
NetLED63_2: LED63.2 LED64.4 | length 25.8
  Top Layer w0.254: LED63.2@182.438,37.6 v1(182.438,39.48) ; v1(201.562,32.52) LED64.4@201.562,34.4
  Bottom Layer w0.254: v1(182.438,39.48) 188.559,39.48 195.519,32.52 v1(201.562,32.52)
NetR7_2: 
OSCIN: C5.2@121.1,180.8 MCU.5 Y1.1 | length 8.3
  Bottom Layer w0.254: Y1.1@119.6,180.913 119.713,180.8 C5.2@121.1,180.8 121.81,180.8 122.24,181.23 122.24,184.248 121.75,184.738 MCU.5@121.75,186.475
OSCOUT: C6.2@115.737,182.2 MCU.6 Y1.3 | length 10.4
  Bottom Layer w0.254: C6.2@115.737,182.2 115.737,183.047 116.054,183.364 119.144,183.364 121.24,185.46 MCU.6@121.24,186.59 ; C6.2@115.848,182.459 116.107,182.2 117.231,182.2 117.214,182.325 Y1.3@117.179,182.583
PA8: MCU.41
PB6: MCU.58 SPI.5 | length 91.1
  Bottom Layer w0.254: MCU.58@125.525,191.25 128.01,191.25 129.86,193.1 129.86,199.08 128.865,200.075 128.865,202.023 129.654,202.812 129.654,204.466 129.99,204.802 167.894,204.802 171.933,208.841 188.791,208.841 SPI.5@197.95,218
PB7: FN.2 MCU.59 R2.1@125.142,173.5 | length 82.7
  Top Layer w0.254: FN.2@117.26,119.735 FN.2@120.265,122.74 119.391,123.614 v1(119.391,170.925)
  Bottom Layer w0.254: v1(119.391,170.925) 119.891,171.425 124.411,171.425 125.142,172.156 R2.1@125.142,173.5 ; R2.1@125.05,173.408 R2.1@125.142,173.5 ; MCU.59@125.525,190.75 128.229,190.75 129.332,189.647 129.332,185.763 125.17,181.601 125.17,173.528 R2.1@125.142,173.5
PC7: 
PC8: MCU.39
PC9: MCU.40
PC13: MCU.2
PC14: MCU.3
PC15: MCU.4
RESET: MCU.7 R1.1@113,180.15 | length 11.5
  Bottom Layer w0.254: R1.1@113,180.15 113.36,180.15 114.69,181.48 114.69,182.642 115.866,183.818 118.882,183.818 120.75,185.686 MCU.7@120.75,186.475
RX4: MCU.53 UART4/5.2 | length 68.5
  Top Layer w0.254: v1(127.3,194.1) 127.916,194.1 128.996,193.02 v1(135.11,193.02) ; UART4/5.2@164.15,218 167.12,215.03 v1(167.12,192.95)
  Bottom Layer w0.254: MCU.53@125.525,193.75 126.85,193.75 127.2,194.1 v1(127.3,194.1) ; v1(135.11,193.02) 135.18,192.95 v1(167.12,192.95)
RX5: MCU.55 UART4/5.4 | length 70.2
  Top Layer w0.254: v1(127.3,192.8) 128.37,191.73 135.1,191.73 v1(135.11,191.72) ; v1(168.46,191.77) 168.46,193.68 168.19,193.95 168.19,216.96 UART4/5.4@169.23,218
  Bottom Layer w0.254: MCU.55@125.525,192.75 127.25,192.75 v1(127.3,192.8) ; v1(135.11,191.72) 135.16,191.77 v1(168.46,191.77)
SBRX: MCU.43 USB-C.A5 USB-C.B5 | length 22.7
  Top Layer w0.203: v4(118.25,211.53) USB-C.B5@118.25,212.875
  Top Layer w0.254: v4(118.25,211.53) 118.863,210.917 120.637,210.917 121.25,211.53 USB-C.A5@121.25,212.875
  Bottom Layer w0.254: v4(118.25,211.53) 118.85,210.93 119.424,210.93 120.017,210.337 121.515,208.839 121.515,203.908 120.46,202.853 120.46,199.478 121.25,198.688 MCU.43@121.25,197.525
SBTX: MCU.42 USB-C.A8 USB-C.B8 | length 24.1
  Top Layer w0.203: v4(118.75,211.8) USB-C.A8@118.75,212.875 ; v4(121.75,211.8) USB-C.B8@121.75,212.875
  Bottom Layer w0.254: v4@118.74,211.8 118.74,212.413 ; MCU.42@120.75,197.525 120.75,198.545 120.006,199.289 120.006,203.042 121.061,204.097 121.061,208.651 119.236,210.476 118.626,210.476 117.771,211.331 117.771,211.367 117.745,211.393 117.745,211.865 118.345,212.465 121.075,212.465 v4@121.74,211.8
SCK: MCU.51 SPI.2 | length 79.4
  Bottom Layer w0.254: MCU.51@125.525,194.75 126.456,194.75 127.503,195.797 127.503,202.698 128.002,203.198 128.01,203.198 128.202,203.39 128.202,204.941 129.425,206.164 167.33,206.164 171.369,210.203 182.533,210.203 SPI.2@190.33,218
SCL: I2C.2 MCU.61 | length 95.7
  Top Layer w0.254: v1(123.73,174.21) 123.73,172.438 128.565,167.603 141.121,167.603 145.421,171.904 145.421,212.261 I2C.2@151.16,218
  Bottom Layer w0.254: v1(123.73,174.21) 123.73,174.606 124.262,175.138 124.262,181.977 128.424,186.14 128.424,189.055 127.929,189.55 127.929,189.561 127.74,189.75 MCU.61@125.525,189.75
SDA: I2C.3 MCU.62 | length 97.4
  Top Layer w0.254: v1(123.19,174.66) 123.19,172.228 128.269,167.149 141.309,167.149 145.875,171.716 145.875,210.175 I2C.3@153.7,218
  Bottom Layer w0.254: v1(123.19,174.66) 123.19,175.052 123.808,175.67 123.808,182.165 127.97,186.328 127.97,188.867 127.587,189.25 MCU.62@125.525,189.25
SWCLK: MCU.49 SWD.3 | length 71.3
  Bottom Layer w0.254: MCU.49@125.525,195.75 126.172,195.75 126.595,196.173 126.595,201.163 124.539,203.219 124.539,204.628 125.167,205.256 127.233,205.256 129.049,207.072 166.954,207.072 170.993,211.111 172.891,211.111 SWD.3@179.78,218
SWIO: MCU.46 SWD.2 | length 67
  Top Layer w0.254: v4(126.76,206.52) 127.22,206.52 v4(128.2,207.5)
  Bottom Layer w0.254: MCU.46@122.75,197.525 122.75,198.762 123.377,199.389 123.377,205.109 124.788,206.52 v4(126.76,206.52) ; v4(128.2,207.5) 128.226,207.526 166.766,207.526 SWD.2@177.24,218
TX4: MCU.52 UART4/5.1 | length 68.2
  Top Layer w0.254: v1(127.3,194.75) 128.18,194.75 129.26,193.67 v1(135.11,193.67) ; UART4/5.1@161.61,218 166.53,213.08 v1(166.53,193.55)
  Bottom Layer w0.254: MCU.52@125.525,194.25 126.7,194.25 127.2,194.75 v1(127.3,194.75) ; v1(135.11,193.67) 135.23,193.55 135.33,193.55 v1(166.53,193.55)
TX5: MCU.54 UART4/5.3 | length 68.9
  Top Layer w0.254: v1(127.3,193.45) 127.65,193.45 128.73,192.37 v1(135.11,192.37) ; UART4/5.3@166.69,218 167.736,216.954 v1(167.736,192.36)
  Bottom Layer w0.254: MCU.54@125.525,193.25 127,193.25 127.2,193.45 v1(127.3,193.45) ; v1(135.11,192.37) 167.72,192.37 v1@167.78,192.43
USB+: R3.1@122.6,201.4 R7.1@122.85,207.5 USB-C.A6 USB-C.B6 USB.3 | length 28.6
  Top Layer w0.203: v4@119.25,211.51 119.414,211.346 120.066,211.346 v4(120.25,211.53) USB-C.A6@120.25,212.875 ; v4(119.25,211.53) USB-C.B6@119.25,212.875
  Top Layer w0.254: USB-C.A6@120.25,212.875 USB-C.A6@120.273,212.852
  Bottom Layer w0.203: v4@119.25,211.51 v4(119.25,211.53)
  Bottom Layer w0.254: v4(120.25,211.53) 121.42,210.36 ; R3.1@122.6,201.4 122.6,203.51 122.85,203.76 R7.1@122.85,207.5 122.85,208.93 121.633,210.147 ; USB.3@133.48,213 131.965,211.485 130.575,211.485 130.143,211.053 122.325,211.053 121.633,210.36 ; 121.42,210.36 121.633,210.147 ; 121.42,210.36 121.633,210.36 ; 121.633,210.147 121.633,210.36
USB-: R4.1@121.25,201.4 USB-C.A7 USB-C.B7 USB.2 | length 26.1
  Top Layer w0.203: v4(119.75,211.8) USB-C.A7@119.75,212.875 ; v4(120.75,211.8) USB-C.B7@120.75,212.875
  Bottom Layer w0.256: R4.1@121.25,201.4 121.25,203 121.97,203.72 121.97,209.028 119.75,211.248 v4(119.75,211.8) 119.96,212.01 120.54,212.01 v4(120.75,211.8) 120.75,211.7 121.13,211.32 121.949,211.32 122.137,211.508 129.448,211.508 USB.2@130.94,213
VBAT: MCU.1
pads on no net: U3.7 U3.10
copper on no net:
  other v1: 117,184.94

## Polygon pours and split planes (outlines as drawn)
GND on Top Layer "NONET_L01_P002" (solid, shelved, pour order 2): 21,25.75 23.75,25.75 cw(c23.75,23.75) 25.75,23.75 25.75,20.1 ccw(c26.75,20.1) 26.75,19.1 213.25,19.1 ccw(c213.25,20.1) 214.25,20.1 214.25,23.75 cw(c216.25,23.75) 216.25,25.75 219,25.75 ccw(c219,26.75) 220,26.75 220,213.25 ccw(c219,213.25) 219,214.25 216.25,214.25 cw(c216.25,216.25) 214.25,216.25 214.25,219 ccw(c213.25,219) 213.25,220 26.75,220 ccw(c26.75,219) 25.75,219 25.75,216.25 cw(c23.75,216.25) 23.75,214.25 21,214.25 ccw(c21,213.25) 20,213.25 20,26.75 ccw(c21,26.75)
GND on Bottom Layer "NONET_L02_P003" (solid, shelved, pour order 3): 21,25.75 23.75,25.75 cw(c23.75,23.75) 25.75,23.75 25.75,20.1 ccw(c26.75,20.1) 26.75,19.1 213.25,19.1 ccw(c213.25,20.1) 214.25,20.1 214.25,23.75 cw(c216.25,23.75) 216.25,25.75 219,25.75 ccw(c219,26.75) 220,26.75 220,213.25 ccw(c219,213.25) 219,214.25 216.25,214.25 cw(c216.25,216.25) 214.25,216.25 214.25,219 ccw(c213.25,219) 213.25,220 26.75,220 ccw(c26.75,219) 25.75,219 25.75,216.25 cw(c23.75,216.25) 23.75,214.25 21,214.25 ccw(c21,213.25) 20,213.25 20,26.75 ccw(c21,26.75)

## Silkscreen, mask and mechanical layers (free items; w line width, h text height)
Bottom Overlay:
  lines w0.2: 147.35,216.73 147.35,219.27 ; 160.34,216.73 160.34,219.27 ; 139.31,216.73 139.31,219.27 141.85,219.27 144.39,219.27 144.39,216.73 141.85,216.73 139.31,216.73
  text "BOOT0" at 144.39,215.24 h0.76
  text "(C)203 Industries 2019" at 170.43,21 h1.52
  text "MATRIX PROTOTYPE V1.4" at 207,21 h1.52
Top Solder:
  text "SPECIAL THANKS TO ALL THE SUPPORTER OF 203" at 48.3,217 h1.14
Bottom Solder:
  region: 122.414,123.545 cw(c122.409,123.549) 122.409,123.543 122.324,123.543 117.437,120.167 117.437,116.391 cw(c117.431,116.391) 117.435,116.386 117.044,115.994 cw(c117.039,115.999) 117.032,115.999 117.032,123.941 cw(c117.039,123.941) 117.039,123.948 122.801,123.948 cw(c122.801,123.941) 122.806,123.936
  region: 122.808,115.999 122.808,123.941 ccw(c122.801,123.941) 122.796,123.946 122.405,123.554 ccw(c122.409,123.549) 122.403,123.549 122.403,119.773 117.516,116.397 117.431,116.397 ccw(c117.431,116.391) 117.426,116.395 117.034,116.004 ccw(c117.039,115.999) 117.032,115.999 ccw(c117.039,115.999) 117.039,115.992 122.801,115.992 ccw(c122.801,115.999)
  region: 115.845,115.996 115.843,116.388 110.466,116.361 114.322,119.941 110.47,123.535 115.94,123.563 115.938,123.954 110.065,123.925 110.065,116.005 110.072,116.005 110.072,115.968
  region: 129.851,116.015 129.665,116.272 129.683,116.285 126.101,121.338 129.559,123.923 124.269,123.923 124.258,123.938 124.237,123.923 123.732,123.923 125.784,121.101 125.788,121.103 127.534,118.64 124.024,116.015
  lines w0.013: 121.605,110.384 121.614,110.384 ; 7.448,3.808 12.34,0.429 ; 7.448,3.808 12.34,0.429 ; 7.448,3.808 7.448,7.588 ; 7.448,3.808 7.448,7.588 ; 7.448,7.588 7.536,7.588 ; 7.448,7.588 7.536,7.588 ; 7.536,7.588 12.427,4.209 ; 7.536,7.588 12.427,4.209 ; 12.34,0.429 12.427,0.429 ; 12.34,0.429 12.427,0.429 ; 12.427,0.429 12.427,4.209 ; 12.427,0.429 12.427,4.209 ; 0.006,0.054 3.532,0.054 5.825,0.054 5.834,0.054 2.324,2.678 4.07,5.142 4.074,5.139 6.126,7.962 5.621,7.962 5.6,7.977 5.589,7.962 2.6,7.962 0.308,7.962 0.298,7.962 3.756,5.377 0.174,0.323 0.193,0.31 0.006,0.054 ; 7.057,0.038 12.819,0.038 12.819,7.98 7.057,7.98 7.057,0.038 ; 13.918,7.601 19.387,7.574 15.536,3.979 19.392,0.4 14.015,0.427 14.013,0.035 19.785,0.006 19.785,0.044 19.793,0.044 19.793,7.964 13.919,7.993 13.918,7.601 ; 117.373,116.189 117.46,116.189 117.373,116.189
Mechanical 1:
  circle w0.013: c72,72 r3
  circle w0.013: c72,168 r3
  circle w0.013: c168,168 r3
  circle w0.013: c168,72 r3
  circle w0.013: c130.5,21.6 r0.8
  circle w0.013: c127.5,21.6 r0.8
  circle w0.013: c124.5,21.6 r0.8
  circle w0.013: c121.5,21.6 r0.8
  circle w0.013: c118.5,21.6 r0.8
  circle w0.013: c115.5,21.6 r0.8
  circle w0.013: c112.5,21.6 r0.8
  circle w0.013: c109.5,21.6 r0.8
  lines w0.254: 20,26.652 20,26.75 20,213.25 20,213.348 20.038,213.542 20.114,213.724 20.223,213.887 20.363,214.027 20.526,214.136 20.708,214.212 20.902,214.25 23.75,214.25 23.946,214.26 24.331,214.336 24.693,214.486 25.019,214.704 25.296,214.981 25.514,215.307 25.664,215.669 25.74,216.054 25.75,216.25 25.75,219 25.75,219.098 25.788,219.292 25.864,219.474 25.973,219.637 26.113,219.777 26.276,219.886 26.458,219.962 26.652,220 115.5,220 115.5,214.95 124.5,214.95 124.5,220 213.348,220 213.542,219.962 213.724,219.886 213.887,219.777 214.027,219.637 214.136,219.474 214.212,219.292 214.25,219.098 214.25,219 214.25,216.25 214.26,216.054 214.336,215.669 214.486,215.307 214.704,214.981 214.981,214.704 215.307,214.486 215.669,214.336 216.054,214.26 216.25,214.25 219.098,214.25 219.292,214.212 219.474,214.136 219.637,214.027 219.777,213.887 219.886,213.724 219.962,213.542 220,213.348 220,213.25 220,26.75 220,26.652 219.962,26.458 219.886,26.276 219.777,26.113 219.637,25.973 219.474,25.864 219.292,25.788 219.098,25.75 219,25.75 216.25,25.75 216.054,25.74 215.669,25.664 215.307,25.514 214.981,25.296 214.704,25.019 214.486,24.693 214.336,24.331 214.26,23.946 214.25,23.75 214.25,20.1 214.25,20.002 214.212,19.808 214.136,19.626 214.027,19.463 213.887,19.323 213.724,19.214 213.542,19.138 213.348,19.1 26.75,19.1 26.652,19.1 26.458,19.138 26.276,19.214 26.113,19.323 25.973,19.463 25.864,19.626 25.788,19.808 25.75,20.002 25.75,20.1 25.75,23.75 25.74,23.946 25.664,24.331 25.514,24.693 25.296,25.019 25.019,25.296 24.693,25.514 24.331,25.664 23.946,25.74 23.75,25.75 20.902,25.75 20.708,25.788 20.526,25.864 20.363,25.973 20.223,26.113 20.114,26.276 20.038,26.458 20,26.652
Top Keepout:
  drawing of 1660 lines, arcs and shapes, not listed
Bottom Keepout:
  drawing of 22499 lines, arcs and shapes, not listed
Mechanical 13:
  drawing of 23246 lines, arcs and shapes, not listed